# Altium PCB Project_board_V3.0.PcbDoc (part 1 of 2)
Units mil, origin at the board's own origin, x right, y up, seen from the top; angles counter-clockwise.
Board outline 3937.01 x 3937.01 mil, 2 copper layers (Top Layer, Bottom Layer); 202 components, 148 nets, 781 pads, 340 vias.
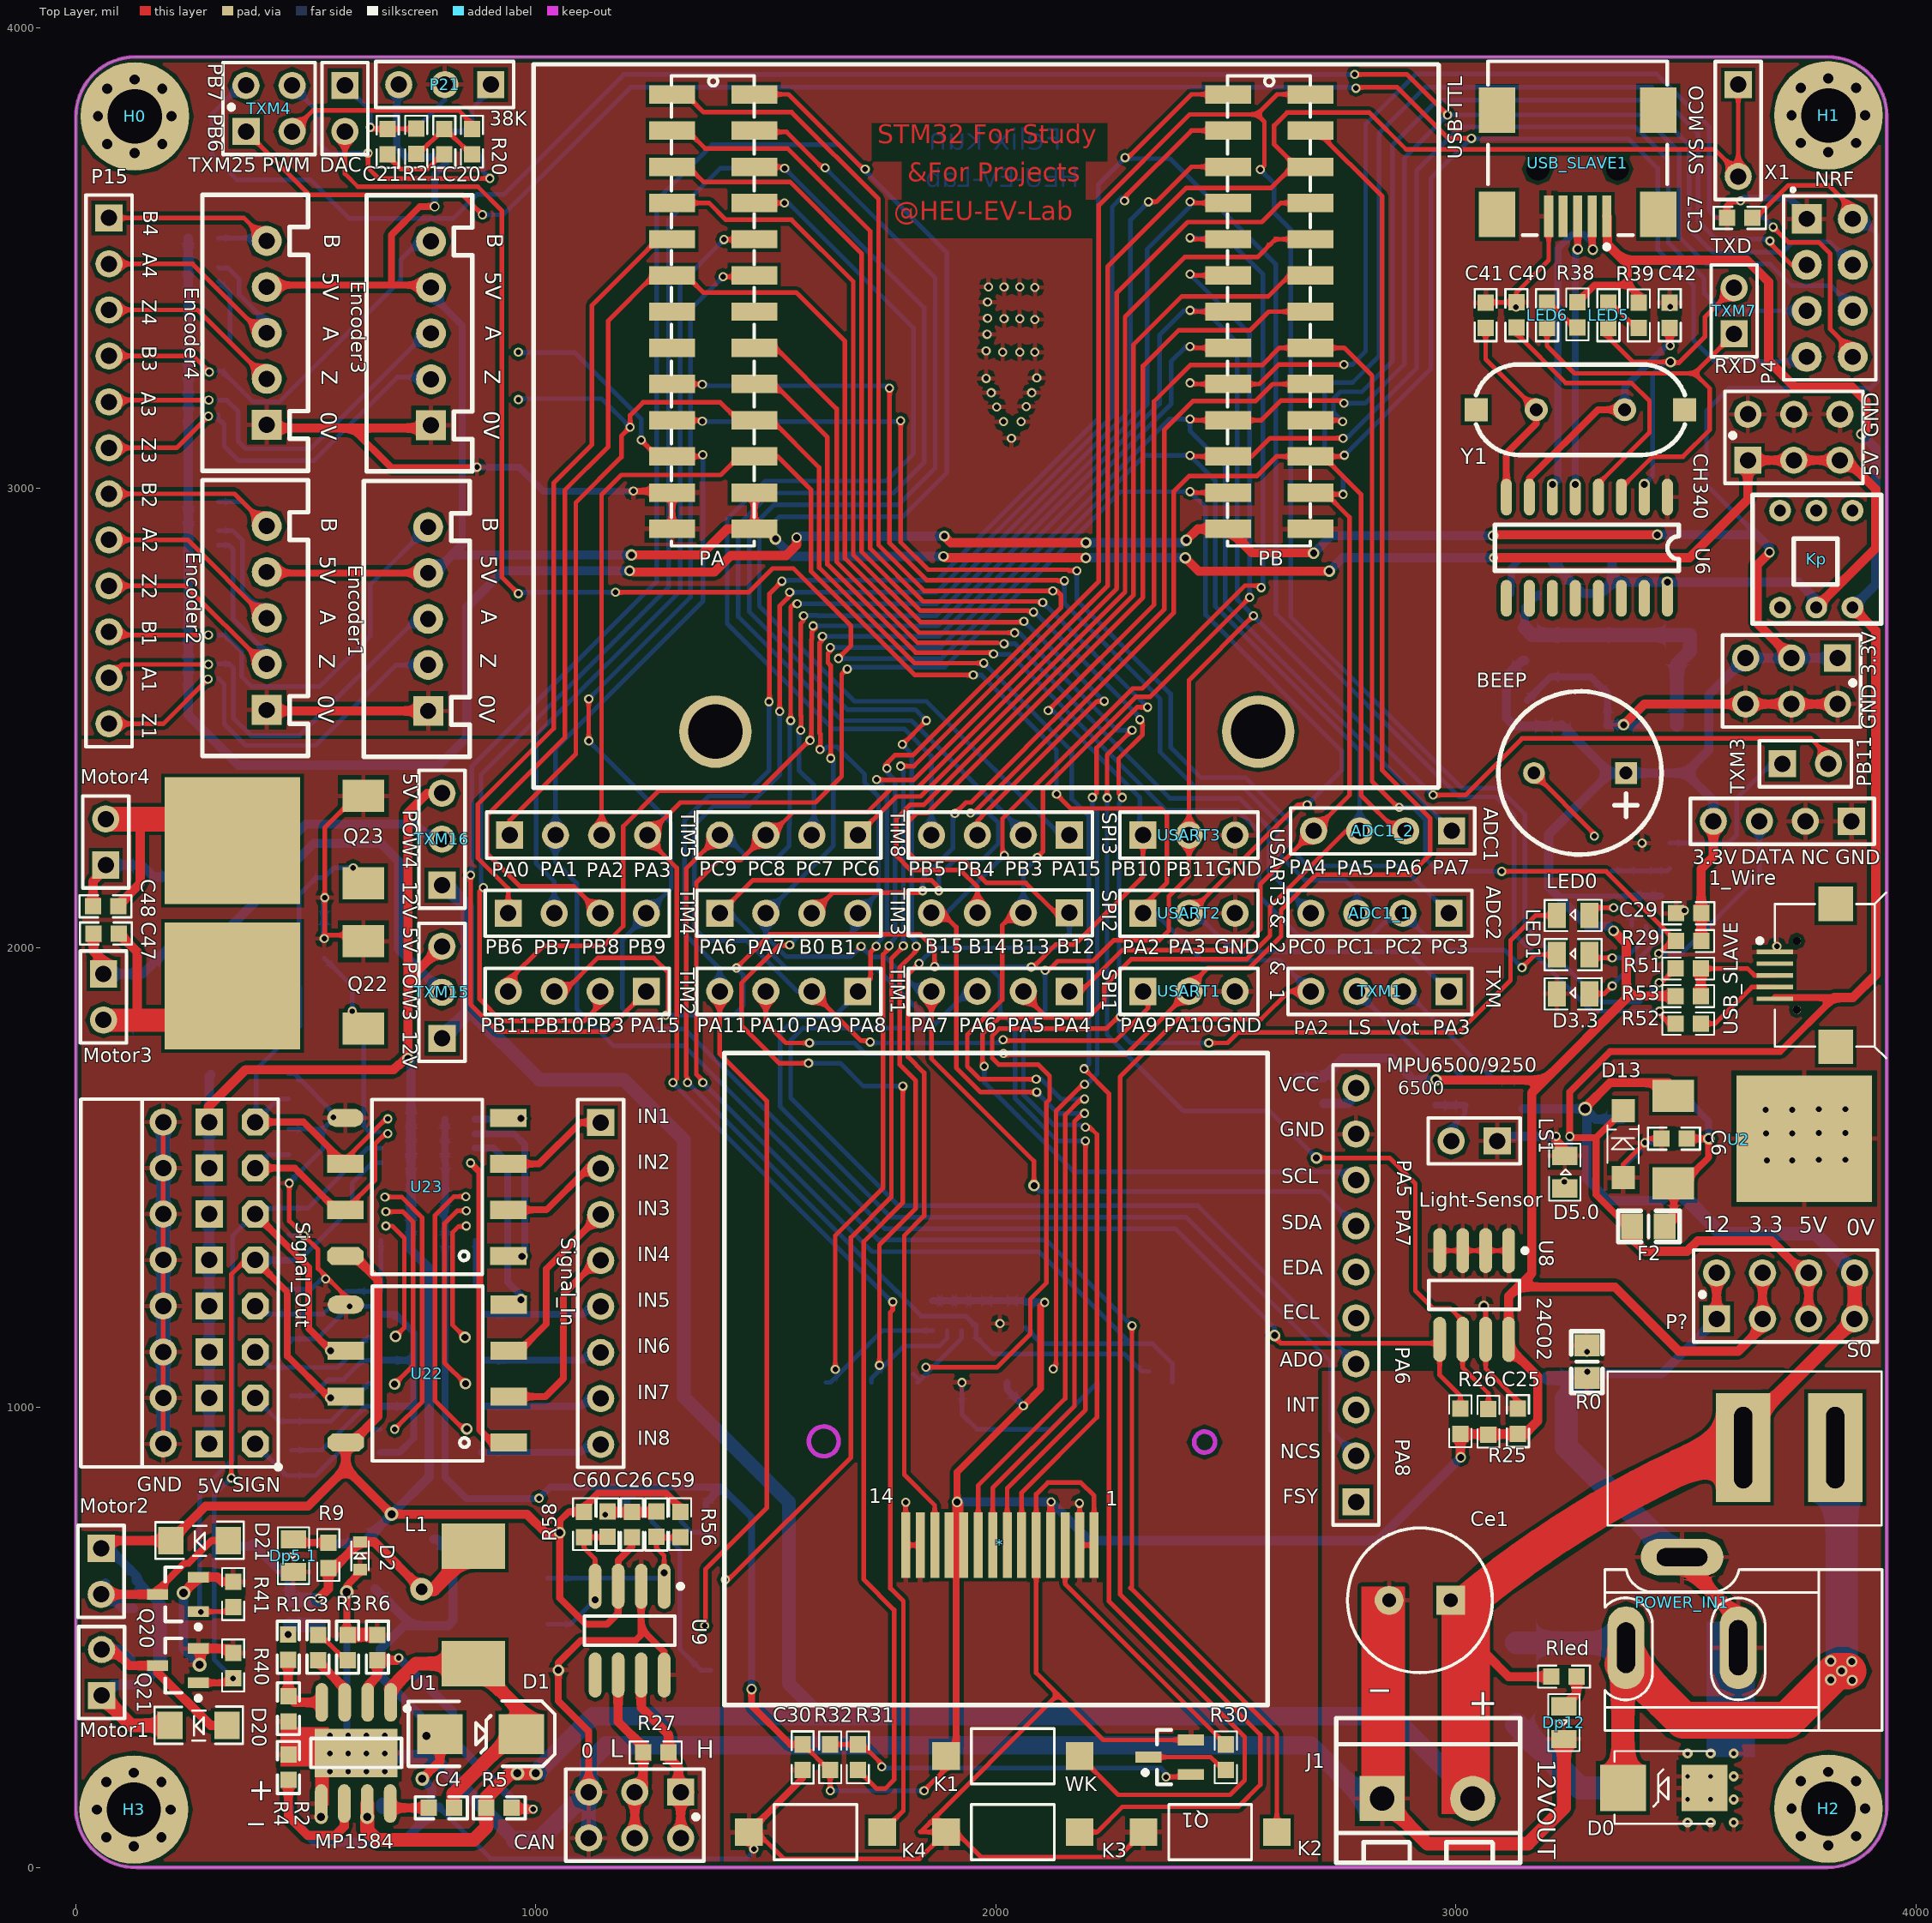
[diagram p0: Top Layer view]
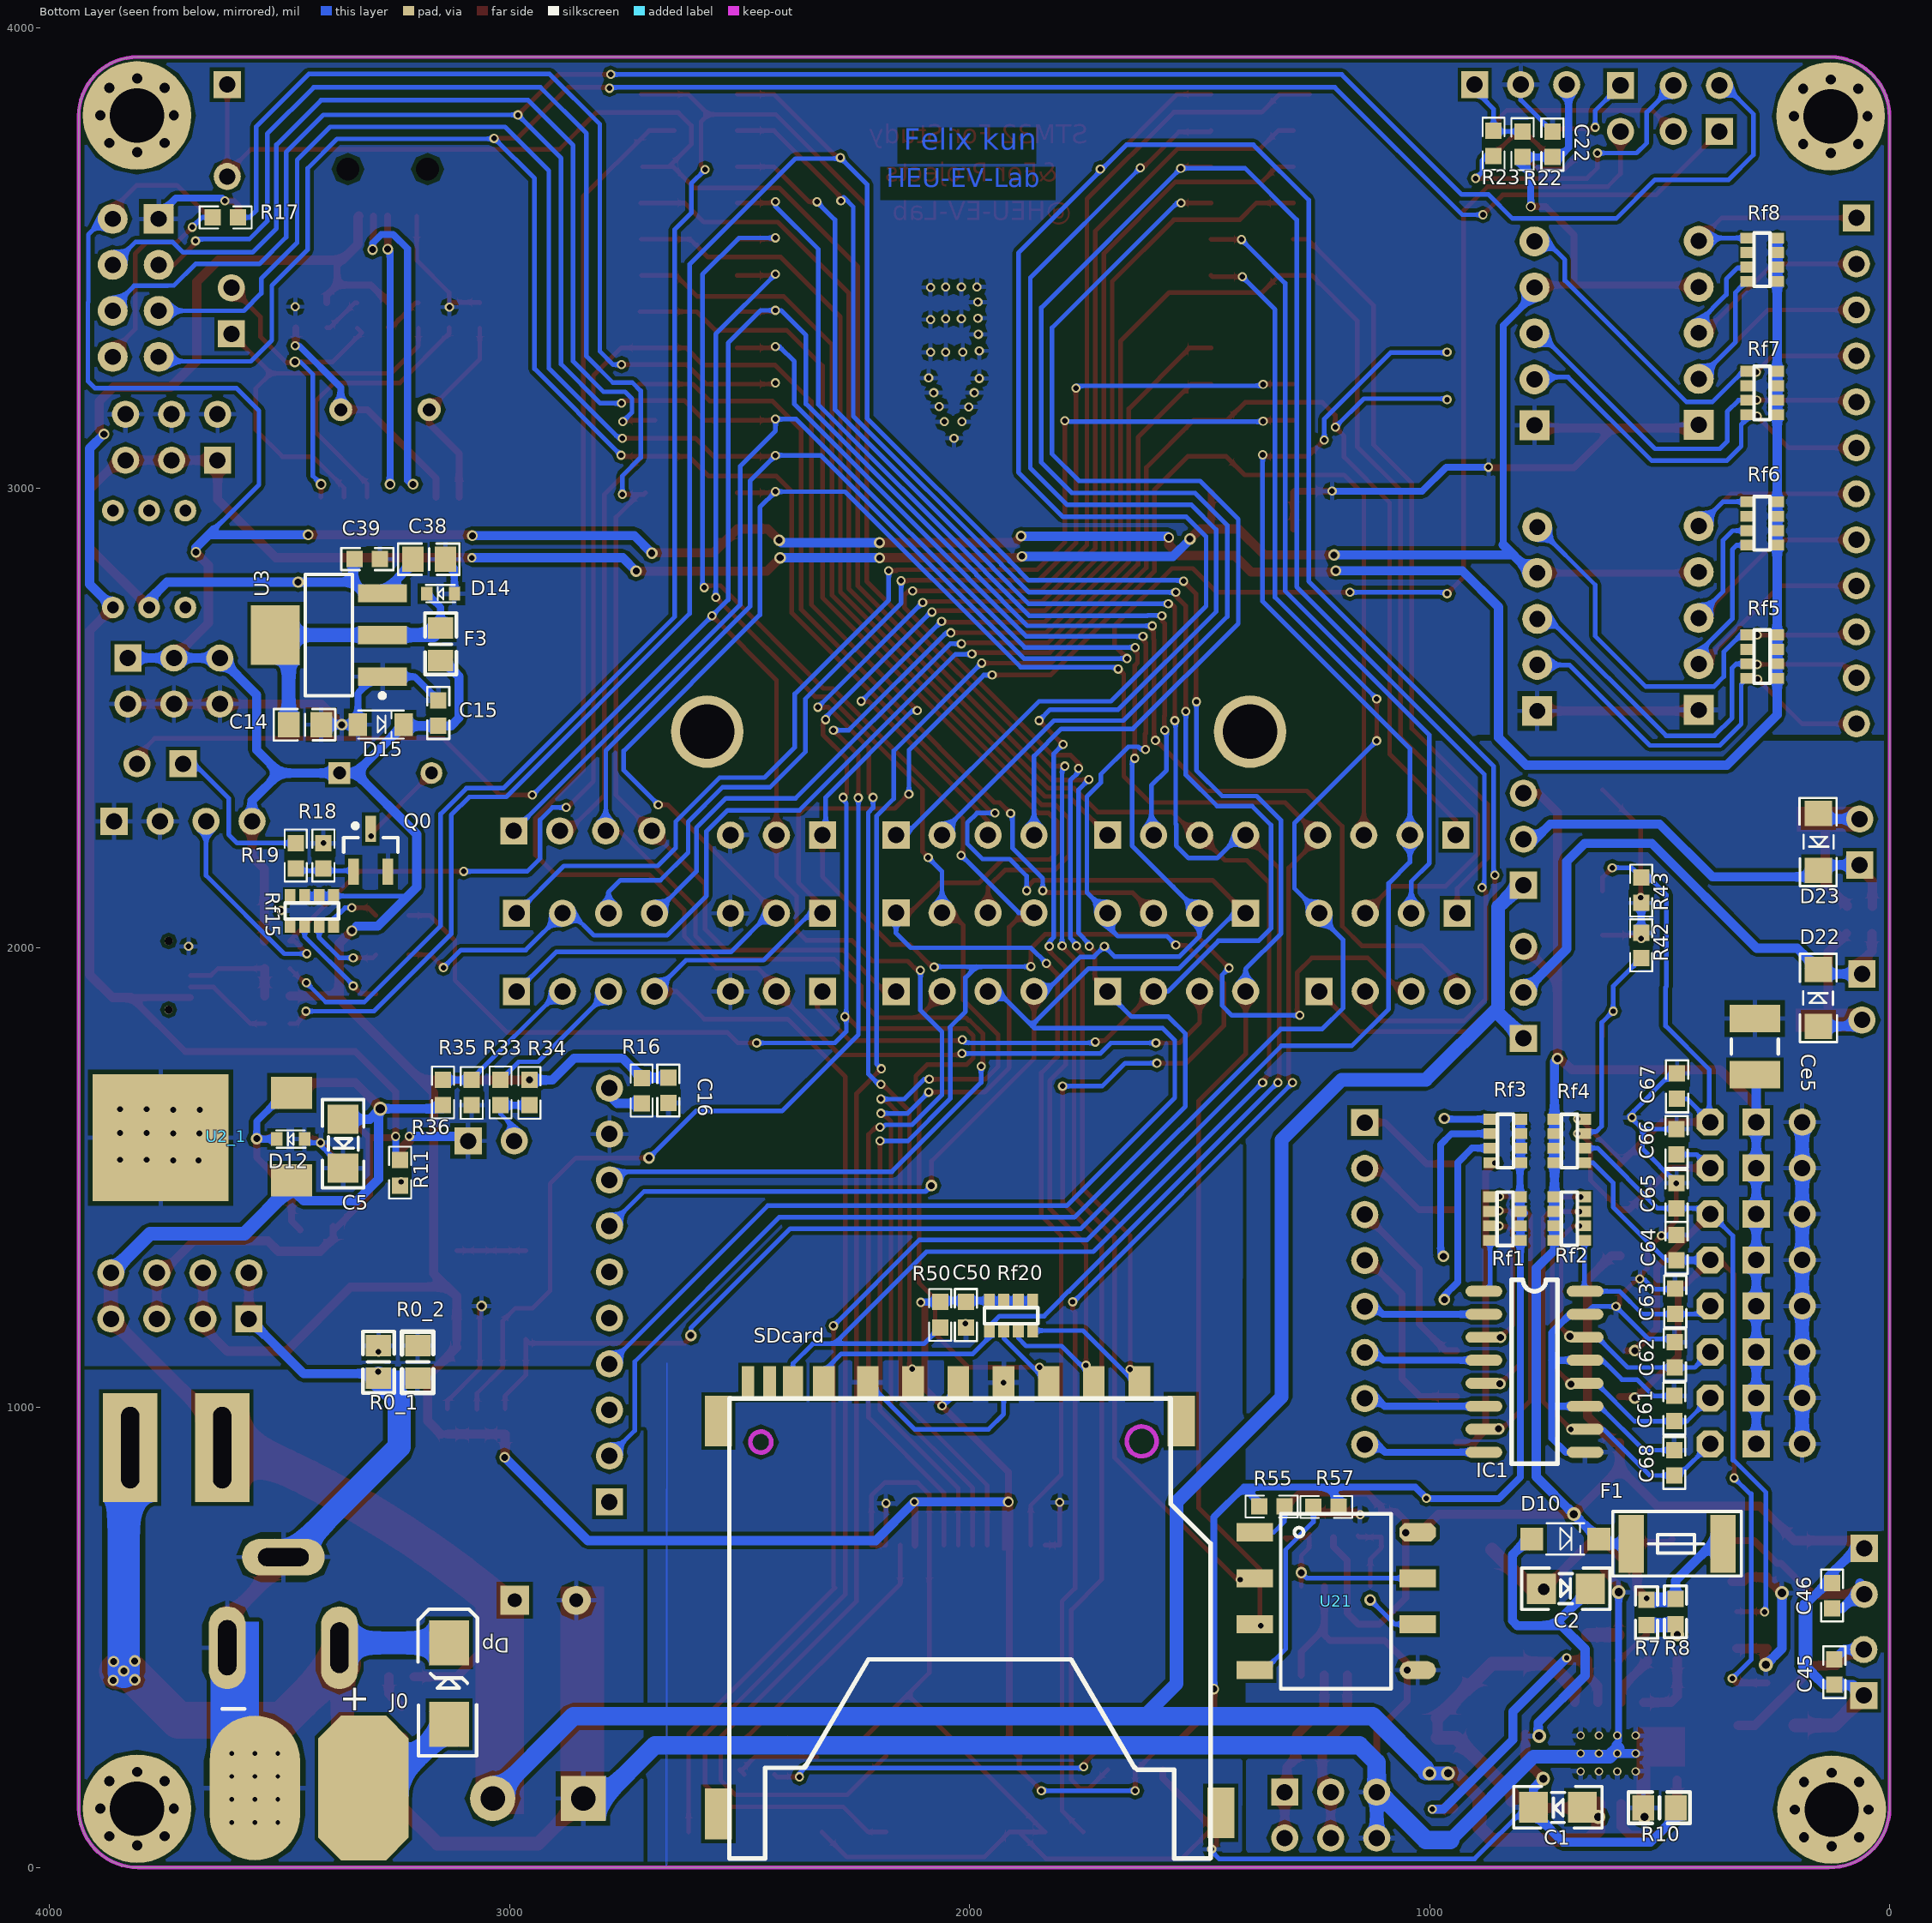
[diagram p1: Bottom Layer view, seen from below]
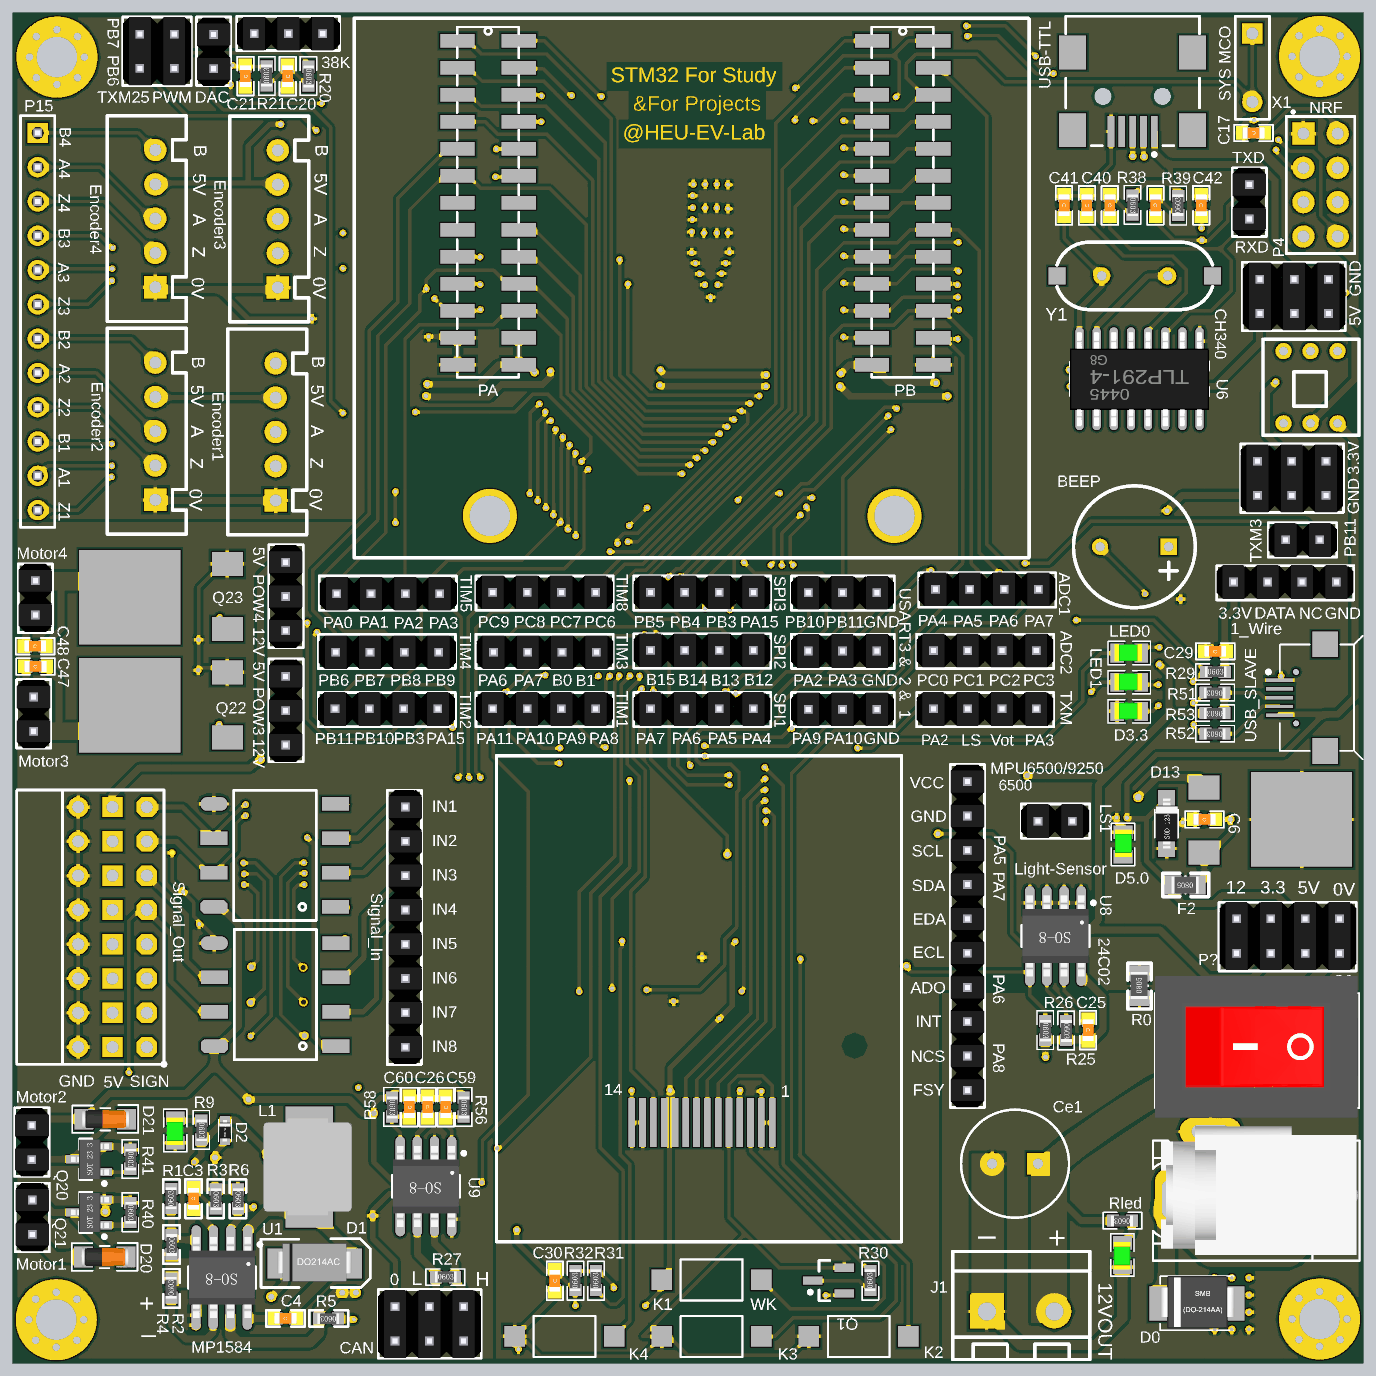
[diagram p3: 3D render of the assembled board from above, using the file's embedded part models]
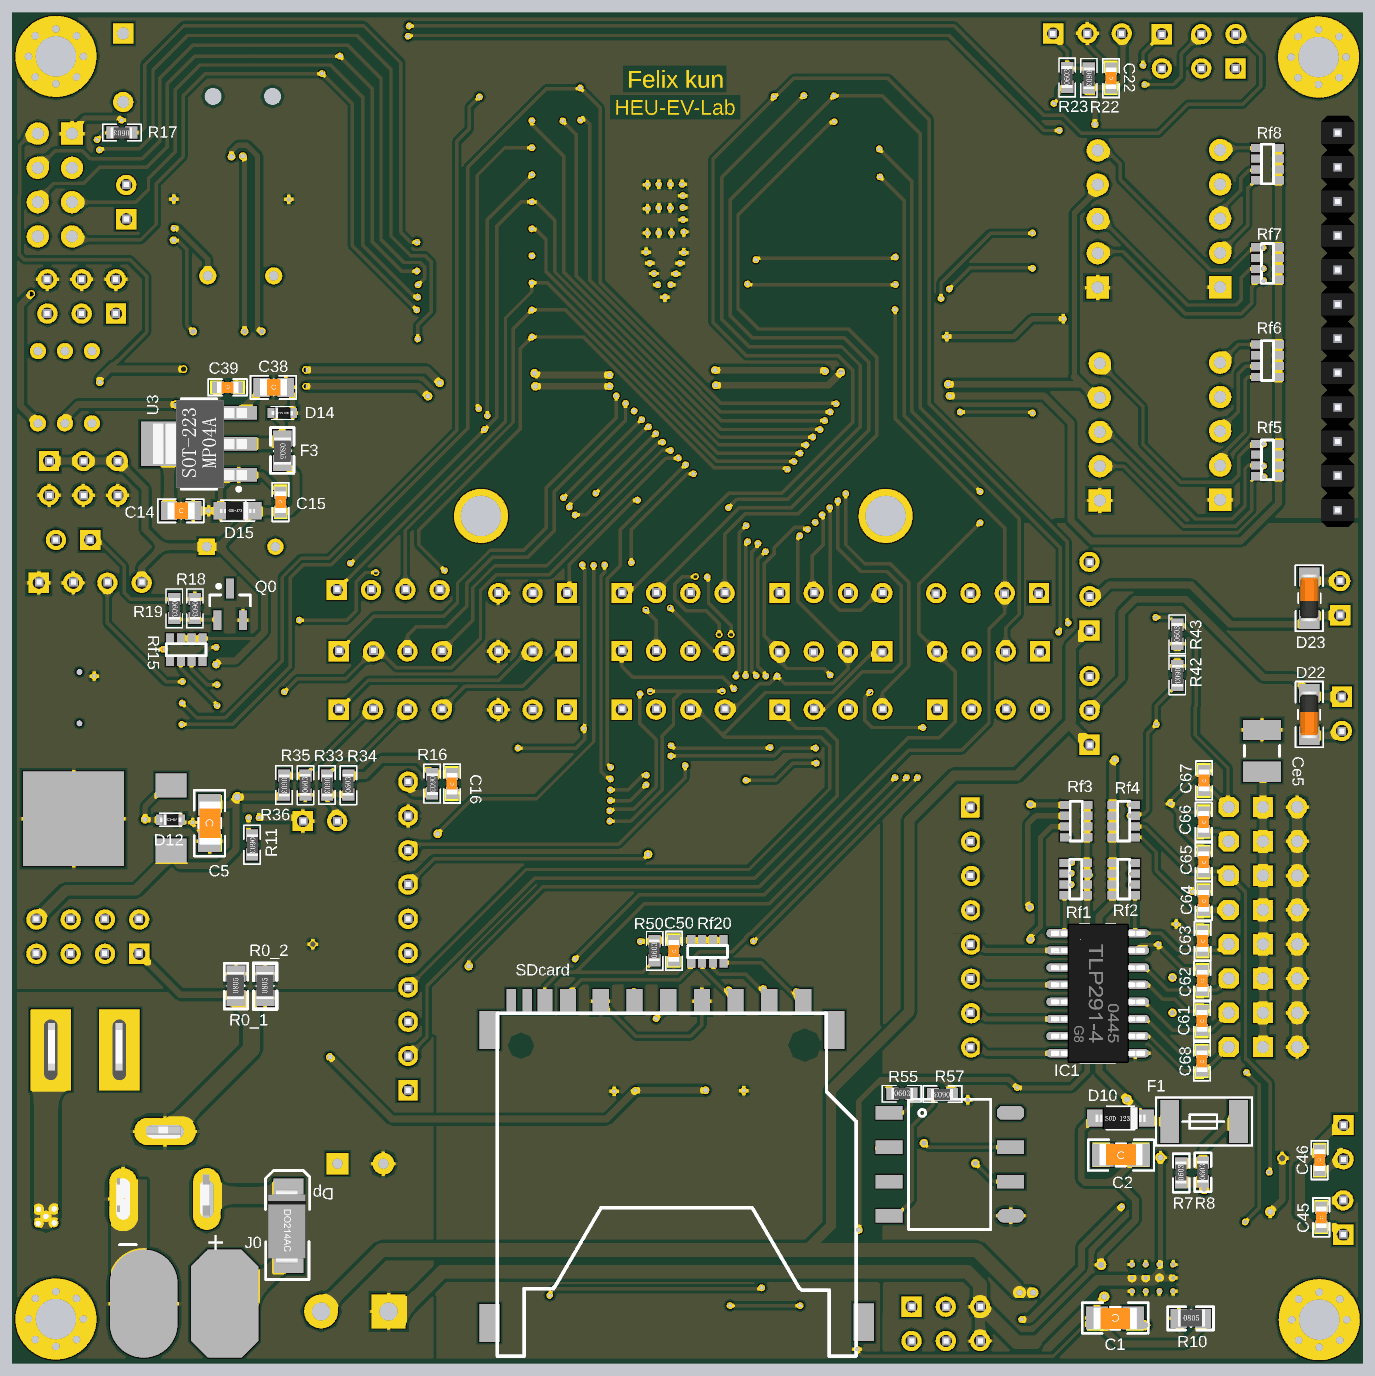
[diagram p4: 3D render of the assembled board from below, using the file's embedded part models]

## Layer stack, top to bottom
Top Solder: solder mask 0.4, Solder Resist, Dk 3.5
Top Layer: signal copper 1.4
Dielectric 1: dielectric 12.6, FR-4, Dk 4.8
Bottom Layer: signal copper 1.4
Bottom Solder: solder mask 0.4, Solder Resist, Dk 3.5

## Board outline
0,128 0,3806 cw(c129.5,3807.5) 128,3937.01 3809,3937.01 cw(c3809,3809) 3937.01,3809 3937.01,129 cw(c3808,129) 3808,0 132,0 cw(c130,130)

## Design rules (kind name [scope] priority, off if disabled: settings)
Clearance Clearance_ROOM1 [WithinRoom('ROOM1')] p1: gap=8
Clearance Clearance_package [HasFootprint('RES_FOUR_0603')] p2: gap=4
Clearance [All] p3: gap=8
HoleSize [All] p1: absolutevalues=TRUE maxlimit=500 minlimit=1 maxpercent=80.000 minpercent=20.000
HoleToHoleClearance [All] p1: gap=1 allowstackedmicrovias=TRUE
MinimumSolderMaskSliver [All] p1: minsoldermaskwidth=1
PolygonConnect [All] p1: connectstyle=Relief reliefconductorwidth=10 reliefentries=4 polygonreliefangle="90 Angle" airgapwidth=10
RoomDefinition ROOM1 [WithinRoom('ROOM1')] p1: confinementstyle=ConfineIn formatcopy=TRUE lockcomponents=FALSE outline 3067,1830 895,1830 895,3937 3067,3937
RoutingVias [All] p1: holewidth=11.8 width=20 viastyle="Through Hole" minholewidth=10 minwidth=18 maxholewidth=45 maxwidth=54
SilkToSilkClearance [All] p1: silktosilkclearance=1
SilkToSolderMaskClearance [IsPad] p1: minsilkscreentomaskgap=1 clearancetoexposedcopper=TRUE
SolderMaskExpansion [All] p1: expansion=4
Width [All] p1: maxlimit=150 minlimit=7 preferedwidth=10
25 further rules are at their usual default settings.

## Components (designator, comment, footprint, x,y, rotation, side; value= is the part's Value field where it differs from the comment)
1_Wire "Header 4" HEADER1*4_PIN 3710,2275 r180 top
3.3V "Header 3X2" HEADER2*3_PIN 3730,2580 r180 top
5V "Header 3X2" HEADER2*3_PIN 3735,3110 r0 top
* "TFT1.44" TFT_1.44 2009,701 r0 top locked
ADC1_1 "Header 4" HEADER1*4_PIN 2835,2075 r180 top
ADC1_2 "Header 4" HEADER1*4_PIN 2841,2254 r180 top
BEEP "BEEP" BELL-5 3270,2380 r180 top
C1 "Polar" CAP_1206 721,131 r0 bottom
C2 "Polar" CAP_1206 704,606 r180 bottom
C3 "0603" CAP_0603_16*08 526.33,478.44 r270 top
C4 "0603" CAP_0603_16*08 795,130 r0 top
C5 "Polar" CAP_1206 3362,1574 r270 bottom
C6 "0603" CAP_0603_16*08 3475,1585 r0 top
C14 "Polar" CAP_0805_20*12 3445,2485 r180 bottom
C15 "0603" CAP_0603_16*08 3155,2510 r270 bottom
C16 "0603" CAP_0603_16*08 2655,1690 r90 bottom
C17 "0603" CAP_0603_16*08 3617,3587 r180 top
C20 "0603" CAP_0603_16*08 801.11,3752.94 r90 top
C21 "0603" CAP_0603_16*08 677.89,3752.94 r90 top
C22 "0603" CAP_0603_16*08 733,3747 r90 bottom
C25 "0603" CAP_0603_16*08 3135,970 r270 top
C26 "0603" CAP_0603_16*08 1209,745.5 r270 top
C29 "0603" CAP_0603_16*08 3506.5,2075 r0 top
C30 "0603" CAP_0603_16*08 1580,240 r90 top
C38 "Polar" CAP_0805_20*12 3175,2845 r180 bottom
C39 "0603" CAP_0603_16*08 3310,2845 r0 bottom
C40 "0603" CAP_0603_16*08 3131.67,3376 r90 top
C41 "0603" CAP_0603_16*08 3065,3375 r270 top
C42 "0603" CAP_0603_16*08 3465,3375 r270 top
C45 "0603" CAP_0603_16*08 120,425 r90 bottom
C46 "0603" CAP_0603_16*08 125,591 r270 bottom
C47 "0603" CAP_0603_16*08 66,2031 r0 top
C48 "0603" CAP_0603_16*08 65,2090 r0 top
C50 "0603" CAP_0603_16*08 2008,1202 r90 bottom
C59 "0603" CAP_0603_16*08 1262,746.5 r90 top
C60 "0603" CAP_0603_16*08 1156,746.5 r90 top
C61 "0603" CAP_0603_16*08 468,998 r90 bottom
C62 "0603" CAP_0603_16*08 467,1115 r90 bottom
C63 "0603" CAP_0603_16*08 466,1231 r90 bottom
C64 "0603" CAP_0603_16*08 463,1348 r90 bottom
C65 "0603" CAP_0603_16*08 463,1461 r90 bottom
C66 "0603" CAP_0603_16*08 463,1578 r90 bottom
C67 "0603" CAP_0603_16*08 462,1699 r90 bottom
C68 "0603" CAP_0603_16*08 468,880 r90 bottom
CAN "Header 3X2" HEADER2*3_PIN 1215,114 r180 top
Ce1 "10uF" Cap_elc_330uF16V 2922,581 r180 top
Ce5 "Polar" C1210_M 293,1785 r90 bottom
D0 "TVS/26V" SMB 3452,173 r180 top
D1 "B340A-13-F" SMA 880,290 r0 top
D2 "TVS/6.2V" SOD523 618,628 r90 top
D3.3 "Green" LED_0805 3255,1900 r180 top
D5.0 "Green" LED_0805 3237,1512 r90 top
D10 "Zener/5V" SOD123 705,714 r180 bottom
D12 "TVS/6.8V" SOD523 3426,1584 r0 bottom
D13 "Zener/5.0V" SOD123 3364,1573 r90 top
D14 "TVS/3.3V" SOD523 3100,2770 r0 bottom
D15 "Zener/3.3V" SOD323 3280,2485 r180 bottom
D20 "1N4148" Diode1206 267,309 r180 top
D21 "1N4148" Diode1206 269,711 r180 top
D22 "1N4148" Diode1206 155,1891 r90 bottom
D23 "1N4148" Diode1206 155,2230 r270 bottom
Dp "SB540A" SMA 3132,400 r90 bottom
Dp5.1 "Green" LED_0805 473,678 r270 top
Dp12 "Red" LED_0805 3235,315 r270 top
Encoder1 "Header 5" P5 766,2715 r90 top
Encoder2 "Header 5" P5 415,2717 r90 top
Encoder3 "Header 5" P5 772,3336 r90 top
Encoder4 "Header 5" P5 415,3337 r90 top
F1 "8V/2.6A" FUSE3.5*5.5 462,704 r0 bottom
F2 "8V1A" RES_0805_20*12 3419,1394 r180 top
F3 "5V/0.5A" RES_0805_20*12 3150,2660 r270 bottom
H0 "Pad3mm" PAD 128,3808 r0 top locked
H1 "Pad3mm" PAD 3810,3810 r0 top
H2 "Pad3mm" PAD 3810,128 r0 top locked
H3 "Pad3mm" PAD 126,126 r0 top locked
IC1 "PS2805" SOP16 882,1253 r180 bottom
J0 "POWER_IN2" POWER_PADS 3436,173 r0 bottom
J1 "POWER OUT" HEAD2L-0.8 2840,150 r0 top
K1 "KEY" KEY_2 2042,252 r90 top
K2 "KEY" KEY_2 2471,87 r90 top
K3 "KEY" KEY_2 2042,87 r90 top
K4 "KEY" KEY_2 1613,87 r90 top
Kp "BUTTON" Switch_Self-Lock 3705,2740 r0 top
L1 "MODEL?" IND_SMD22uh 864,571 r90 top
LED0 "Red" LED_0805 3255,2070 r180 top
LED1 "Blue" LED_0805 3255,1985 r180 top
LED5 "Red" CAP_0603_16*08 3331.67,3375 r270 top
LED6 "Green" CAP_0603_16*08 3198.33,3375 r270 top
LS1 "LSENS" HeadER1*2_pin 3040,1580 r180 top
Motor1 "Header 2" HeadER1*2_pin 56,424 r90 top
Motor2 "Header 2" HeadER1*2_pin 55,644 r270 top
Motor3 "Header 2" HeadER1*2_pin 60,1893 r270 top
Motor4 "Header 2" HeadER1*2_pin 65,2230 r90 top
MPU6500/9250 "Header 10" HEADER1*10_PIN 2783,1245 r90 top
P4 "NRF2401" HDR2X4 3763,3585 r270 top
P15 "Header 12" HEADER1*12_PIN 72,3037 r270 top
P21 "HS0038" HEADER1*3_PIN 802,3877 r180 top
P? "Header 4X2" HEADER2*4_PIN 3717,1243 r0 top
PA "Header" HEADER2*13_SMD 1385.5,3343.9 r270 top locked
PB "Header" HEADER2*13_SMD 2594.5,3343.9 r270 top locked
POWER_IN1 "POWER" POW_DC 3789,648 r180 top
Q0 "NPN" SOT23_J3Y 3302,2212 r90 bottom
Q1 "NPN" SOT23_J3Y 2378,240 r180 top
Q20 "SI2302" SOT-23_MOSN 227,444 r180 top
Q21 "SI2302" SOT-23_MOSN 227,599 r180 top
Q22 "IRLR7843" DPAK 465,1924 r180 top
Q23 "IRLR7843" DPAK 465,2240 r180 top
R0 "SMD" RES_0805_20*12 3285,1100 r90 top
R0_1 "SMD" RES_0805_20*12 3285,1099.57 r90 bottom
R0_2 "SMD" RES_0805_20*12 3200,1099.57 r90 bottom
R1 "0603" RES_0603_16*08 461.67,479.44 r90 top
R2 "0603" RES_0603_16*08 462,345 r270 top
R3 "0603" RES_0603_16*08 591,478.44 r270 top
R4 "0603" RES_0603_16*08 462,218 r90 top
R5 "0603" RES_0603_16*08 920,130 r180 top
R6 "0603" RES_0603_16*08 655.67,478.44 r270 top
R7 "0603" RES_0603_16*08 528.33,554.44 r90 bottom
R8 "0603" RES_0603_16*08 465.33,556.44 r90 bottom
R9 "SMD" RES_0603_16*08 549,679 r270 top
R10 "SMD" RES_0805_20*12 500,130 r180 bottom
R11 "SMD" RES_0603_16*08 3238,1510.56 r270 bottom
R16 "SMD" RES_0603_16*08 2713,1689 r270 bottom
R17 "SMD" RES_0603_16*08 3618,3588 r0 bottom
R18 "SMD" RES_0603_16*08 3405,2200 r270 bottom
R19 "SMD" RES_0603_16*08 3465,2200 r270 bottom
R20 "SMD" RES_0603_16*08 861.22,3752.44 r270 top
R21 "SMD" RES_0603_16*08 740,3753.44 r90 top
R22 "SMD" RES_0603_16*08 798,3747 r270 bottom
R23 "SMD" RES_0603_16*08 861,3749 r90 bottom
R25 "SMD" RES_0603_16*08 3071,969 r270 top
R26 "SMD" RES_0603_16*08 3010,970 r270 top
R27 "SMD" RES_0603_16*08 1261,250 r0 top
R29 "SMD" RES_0603_16*08 3506,2014.62 r0 top
R30 "SMD" RES_0603_16*08 2500,240 r90 top
R31 "SMD" RES_0603_16*08 1700,240 r90 top
R32 "SMD" RES_0603_16*08 1640,240 r90 top
R33 "SMD" RES_0603_16*08 3019.75,1685 r270 bottom
R34 "SMD" RES_0603_16*08 2957.12,1685 r90 bottom
R35 "SMD" RES_0603_16*08 3082.38,1685 r90 bottom
R36 "SMD" RES_0603_16*08 3145,1685 r270 bottom
R38 "SMD" RES_0603_16*08 3264.5,3376.5 r270 top
R39 "SMD" RES_0603_16*08 3397.83,3375.5 r90 top
R40 "SMD" RES_0603_16*08 342,439 r270 top
R41 "SMD" RES_0603_16*08 342,594 r270 top
R42 "SMD" RES_0603_16*08 540,2005 r270 bottom
R43 "SMD" RES_0603_16*08 540,2125 r90 bottom
R50 "SMD" RES_0603_16*08 2064,1202 r90 bottom
R51 "SMD" RES_0603_16*08 3505,1954.75 r180 top
R52 "SMD" RES_0603_16*08 3505,1835 r180 top
R53 "SMD" RES_0603_16*08 3505,1894.88 r180 top
R55 "SMD" RES_0603_16*08 1343,785 r180 bottom
R56 "SMD" RES_0603_16*08 1314,746 r270 top
R57 "SMD" RES_0603_16*08 1225,784 r0 bottom
R58 "SMD" RES_0603_16*08 1105,746 r270 top
Rf1 "470R" RES_FOUR_0603 836,1411 r0 bottom
Rf2 "4.7K" RES_FOUR_0603 696,1411 r0 bottom
Rf3 "100R" RES_FOUR_0603 835,1580 r0 bottom
Rf4 "4.7K" RES_FOUR_0603 696,1580 r0 bottom
Rf5 "4.7K" RES_FOUR_0603 277,2633 r180 bottom
Rf6 "4.7K" RES_FOUR_0603 277,2922.67 r180 bottom
Rf7 "4.7K" RES_FOUR_0603 277,3206.33 r180 bottom
Rf8 "4.7K" RES_FOUR_0603 277,3496 r180 bottom
Rf15 "1K" RES_FOUR_0603 3430,2080 r90 bottom
Rf20 "4.7K" RES_FOUR_0603 1910,1200 r270 bottom
Rled "SMD" RES_0603_16*08 3235,415 r180 top
S0 "SW-SPST" Switch_boat_s 3725,913 r180 top
SDcard "SD卡" SDCARD_L 1730,1055 r180 bottom
Signal_In "Header 8" HEADER1*8_PIN 1101,1350 r270 top (schematic designator Sign_In)
Signal_Out "PWM" HEADER3*8 440,771 r90 top (schematic designator Sign_Out)
SPI1 "Header 4" HEADER1*4_PIN 2010,1905 r180 top
SPI2 "Header 4" HEADER1*4_PIN 2010,2076 r180 top
SPI3 "Header 4" HEADER1*4_PIN 2010,2245 r180 top
TIM1 "Header 4" HEADER1*4_PIN 1550,1905 r180 top
TIM2 "Header 4" HEADER1*4_PIN 1090,1905 r180 top
TIM3 "Header 4" HEADER1*4_PIN 1550,2075 r0 top
TIM4 "Header 4" HEADER1*4_PIN 1090,2075 r0 top
TIM5 "Header 4" HEADER1*4_PIN 1093,2245 r0 top
TIM8 "Header 4" HEADER1*4_PIN 1550,2245 r180 top
TXM1 "Header 4" HEADER1*4_PIN 2835,1905 r180 top
TXM3 "Header 2" HeadER1*2_pin 3760,2400 r0 top
TXM4 "Header 2X2" HEADER2*2_PIN 420,3825 r0 top
TXM7 "Header 2" HeadER1*2_pin 3605,3385 r90 top
TXM15 "Header 3" HEADER1*3_PIN 796,1903 r90 top
TXM16 "Header 3" HEADER1*3_PIN 796,2236 r90 top
TXM25 "Header 2" HeadER1*2_pin 585,3825 r270 top
U1 "MP1584" SOIC8E 609,249 r270 top
U2 "5V/0.5A" DPAK 3633,1578 r0 top
U2_1 "5V/0.5A" DPAK 3634,1594 r0 bottom
U3 "AMS1117" SOT223_M 3393,2680 r0 bottom
U6 "CH340G" SOP16 3460,2980 r270 top
U8 "24C02" SO8_M 3040,1245 r270 top
U9 "TJA1050" SO8_M 1204,515 r270 top
U21 "6N137_DOUBLE" SMD-8/OPTION7 1203,579 r180 bottom
U22 "6N137_Double" SMD-8/OPTION7 764,1074 r180 top
U23 "6N137_Double" SMD-8/OPTION7 763,1480 r180 top
USART1 "Header 3" HEADER1*3_PIN 2420,1905 r0 top
USART2 "Header 3" HEADER1*3_PIN 2420,2075 r0 top
USART3 "Header 3" HEADER1*3_PIN 2420,2245 r0 top
USB_SLAVE "USB-B(Mini)" USB_micro_S 3820,1930 r0 top (schematic designator USB_SLAVE2)
USB_SLAVE1 "USB-B(Mini)" USB/SM0.8-6H5 3265,3900 r90 top
X1 "U HDR" Header_U 3615,3775 r270 top
Y1 "XTAL" XTAL_US 3175,3170 r0 top
